# Altium PCB FlatSat Half 2.PcbDoc (part 8 of 9)
Units mil, origin at the board's own origin, x right, y up, seen from the top; angles counter-clockwise.
Board outline 4682 x 11604 mil, 4 copper layers (Top Layer, STR GND 1, STR GND 2, Bottom Layer), stack 33.434 mil thick; 231 components, 255 nets, 990 pads, 1104 vias.
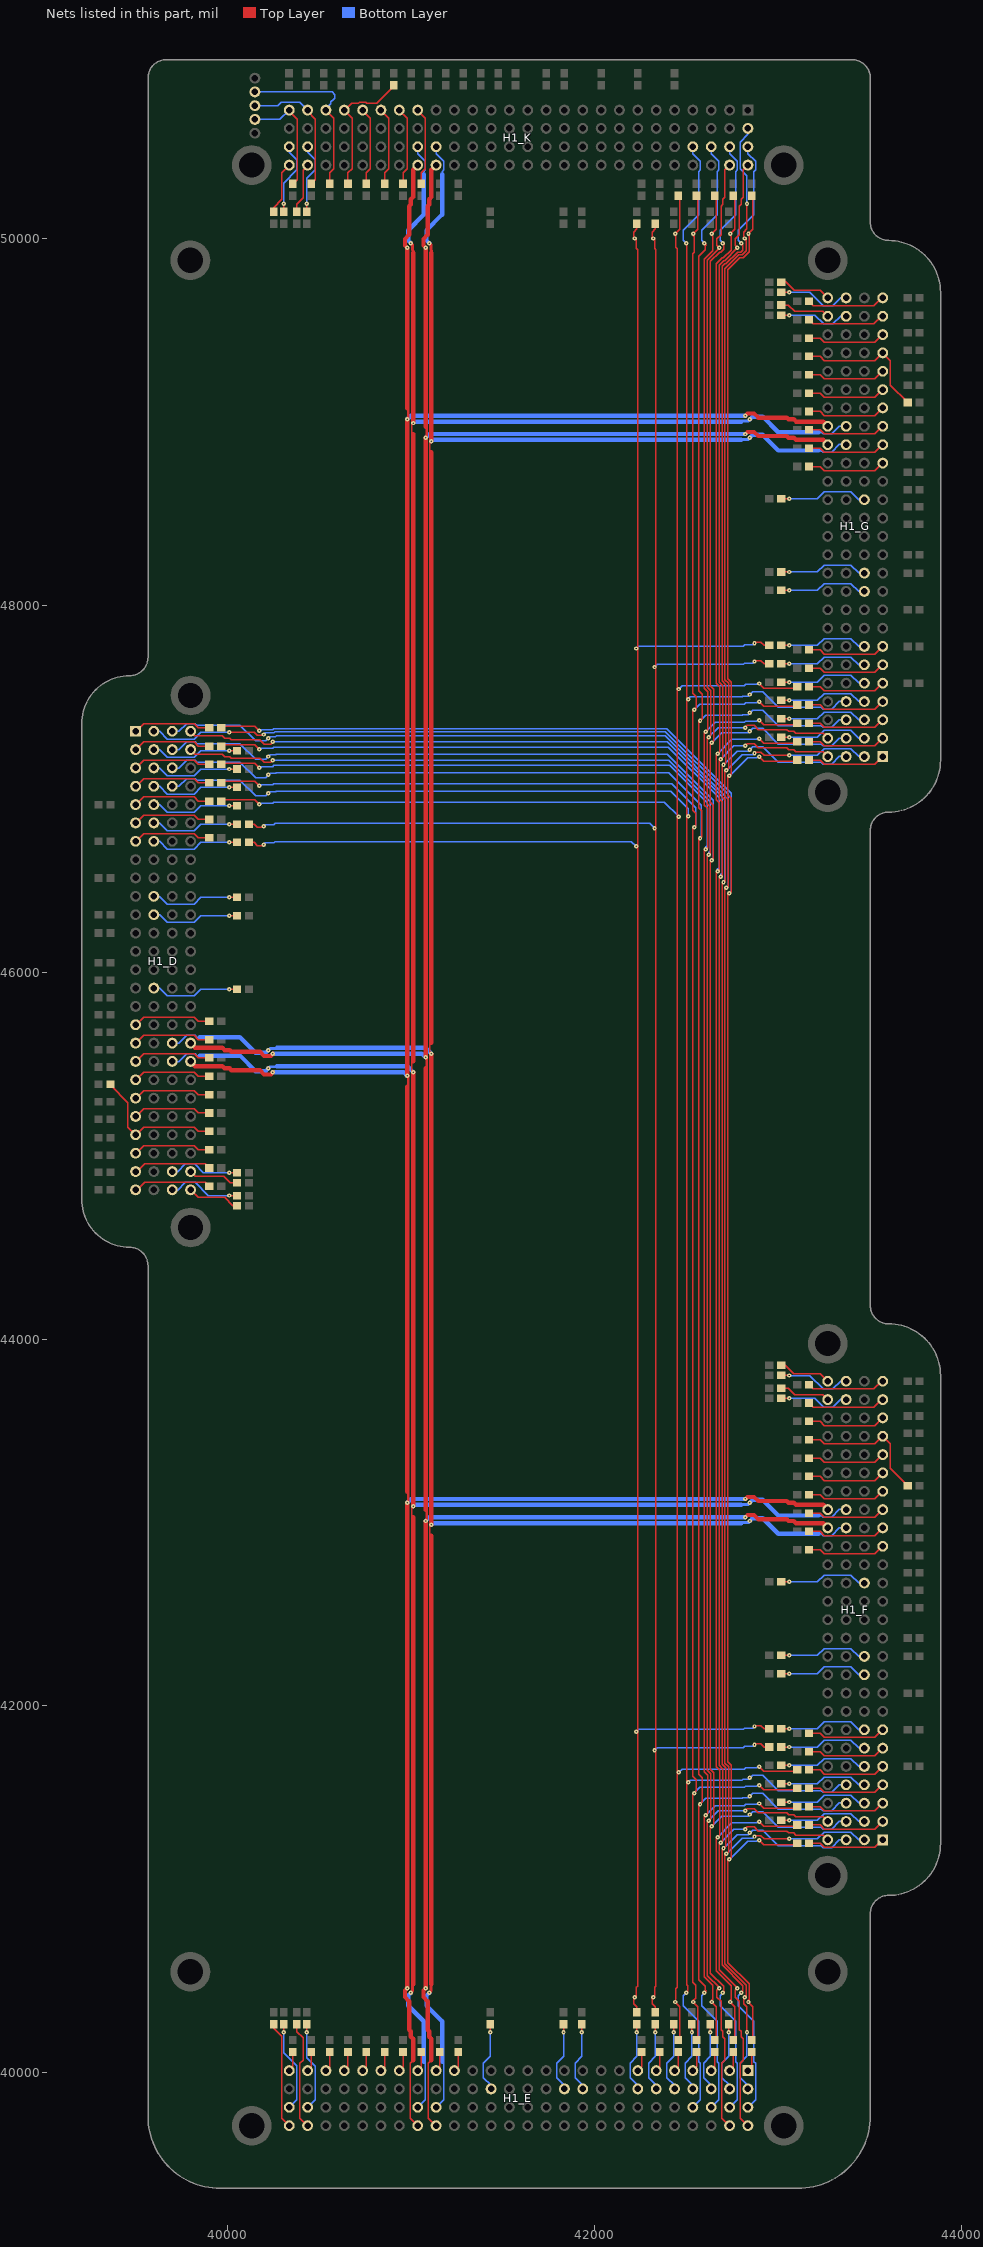
[diagram p10: the nets of this part, all layers, seen from the top]

## Via types
v1: diameter 24, hole 8, Top Layer to Bottom Layer, 1104 vias

## Nets (pads, with @x,y where several pads share a name; then routed paths per layer and width w, separated by ;. In a path a pad name is that pad's centre, name@x,y a point inside that pad or via, vN(x,y) a via of type N, cw(c..) or ccw(c..) an arc to the next point about the centre after c; other vN are vias at no path point) (continued)
NetH1_A_37: H1_K.37 R37_A.2 | length 427
  Top Layer w8: H1_K.37@41037,50696.52 41079.53,50653.99 41079.53,50378.9 41057,50356.38 R37_A.2@41057,50296.48
NetH1_A_39: H1_K.39 R39_A.2 | length 427
  Top Layer w8: H1_K.39@40937,50696.52 40979.53,50653.99 40979.53,50378.9 40957,50356.38 R39_A.2@40957,50296.48
NetH1_A_41: H1_K.41 R41_A.2 | length 427
  Top Layer w8: H1_K.41@40837,50696.52 40879.53,50653.99 40879.53,50378.9 40857,50356.38 R41_A.2@40857,50296.48
NetH1_A_43: H1_K.43 R43_A.2 | length 427
  Top Layer w8: H1_K.43@40737,50696.52 40779.53,50653.99 40779.53,50378.9 40757,50356.38 R43_A.2@40757,50296.48
NetH1_A_45: H1_K.45 J45_A.1 R45_A.2 | length 756.2
  Top Layer w8: H1_K.45@40637,50694 H1_K.45@40638.26,50695.26 ; H1_K.45@40637,50696.52 H1_K.45@40638.26,50695.26 ; R45_A.2@40657,50296.48 40657,50356.38 40679.53,50378.9 40679.53,50653.99 H1_K.45@40638.26,50695.26 ; J45_A.1@40906.31,50829.52 40812.79,50736 40758.73,50736 40754.2,50740.53 40719.8,50740.53 40714.8,50735.53 40678.53,50735.53 H1_K.45@40638.26,50695.26
NetH1_A_47: H1_K.47 pad.10 R47_A.2 | length 975.1
  Top Layer w8: H1_K.47@40537,50696.52 40579.53,50653.99 40579.53,50378.9 40557,50356.38 R47_A.2@40557,50296.48
  Bottom Layer w8: pad.10@40150,50798 40570.94,50798 40586,50782.94 40586,50763.06 40571.94,50749 40569.06,50749 40563.47,50743.41 40563.47,50733.47 40537,50707 H1_K.47@40537,50699
NetH1_A_49: H1_K.49 pad.9 R49_A.2 | length 737.6
  Top Layer w8: H1_K.49@40437,50696.52 40437,50691.57 40478.53,50650.05 40478.53,50318.01 R49_A.2@40457,50296.48
  Bottom Layer w8: pad.9@40150,50723 40275,50723 40292.53,50740.53 40395.47,50740.53 H1_K.49@40437,50699
NetH1_A_51: H1_K.51 pad.8 R51_A.2 | length 635.1
  Top Layer w8: H1_K.51@40337,50696.52 40337,50691.57 40379.53,50649.05 40379.53,50319.01 R51_A.2@40357,50296.48
  Bottom Layer w8: pad.8@40150,50648 40286,50648 H1_K.51@40337,50699
NetH1_A_101: H1_K.101 R101_A.1 | length 392.4
  Top Layer w8: R101_A.1@40431.67,50149.81 R101_A.1@40431.67,50159.81 ; R101_A.1@40432,50136.48 40432,50174
  Bottom Layer w8: v1(40432,50188) 40432,50328 40478.53,50374.53 40478.53,50416.2 ; H1_K.101@40437,50496.52 40437,50469 40478.47,50427.53 40478.47,50416.26
NetH1_A_102: H1_K.102 R102_A.2 | length 261.7
  Top Layer w8: R102_A.2@40376.67,50159.81 40377,50160.14 40377,50185 40412,50220 40412,50371.52 H1_K.102@40437,50396.52
NetH1_A_103: H1_K.103 R103_A.2 | length 382.9
  Top Layer w8: R103_A.2@40306.67,50159.81 v1@40306.67,50177.33 ; R103_A.2@40307,50154 R103_A.2@40307,50164
  Bottom Layer w8: v1(40307,50188) 40307,50301 40378.53,50372.53 40378.53,50416.2 40378.47,50416.26 40378.47,50427.53 40337,50469 H1_K.103@40337,50496.52
NetH1_A_104: H1_K.104 R104_A.1 | length 272.7
  Top Layer w8: R104_A.1@40252,50159 40252,50166.94 40297.06,50212 40297.06,50356.58 H1_K.104@40337,50396.52
NetH1_D_1: H1_D.1 R1_D.2 | length 427
  Top Layer w8: H1_D.1@39500.48,47312 39543.01,47354.53 39818.1,47354.53 39840.62,47332 R1_D.2@39900.52,47332
NetH1_D_3: H1_D.3 R3_D.2 | length 427
  Top Layer w8: H1_D.3@39500.48,47212 39543.01,47254.53 39818.1,47254.53 39840.62,47232 R3_D.2@39900.52,47232
NetH1_D_4: H1_D.4 R4_D.1 | length 486.5
  Top Layer w8: v1(40009,47207) R4_D.1@40052.19,47207
  Bottom Layer w8: H1_D.4@39598,47212 39631,47212 39672.47,47170.53 39818.53,47170.53 39855,47207 v1(40009,47207)
NetH1_D_5: H1_D.5 R5_D.2 | length 427
  Top Layer w8: H1_D.5@39500.48,47112 39543.01,47154.53 39818.1,47154.53 39840.62,47132 R5_D.2@39900.52,47132
NetH1_D_6: H1_D.6 R6_D.1 | length 486.5
  Top Layer w8: v1(40009,47107) R6_D.1@40052.19,47107
  Bottom Layer w8: H1_D.6@39598,47112 39631,47112 39672.47,47070.53 39818.53,47070.53 39855,47107 v1(40009,47107)
NetH1_D_7: H1_D.7 R7_D.2 | length 427
  Top Layer w8: H1_D.7@39500.48,47012 39543.01,47054.53 39818.1,47054.53 39840.62,47032 R7_D.2@39900.52,47032
NetH1_D_8: H1_D.8 R8_D.1 | length 486.5
  Top Layer w8: v1(40009,47007) R8_D.1@40052.19,47007
  Bottom Layer w8: H1_D.8@39598,47012 39631,47012 39672.47,46970.53 39818.53,46970.53 39855,47007 v1(40009,47007)
NetH1_D_9: H1_D.9 R9_D.2 | length 427
  Top Layer w8: H1_D.9@39500.48,46912 39543.01,46954.53 39818.1,46954.53 39840.62,46932 R9_D.2@39900.52,46932
NetH1_D_10: H1_D.10 R10_D.1 | length 486.5
  Top Layer w8: v1(40009,46907) R10_D.1@40052.19,46907
  Bottom Layer w8: H1_D.10@39598,46912 39631,46912 39672.47,46870.53 39818.53,46870.53 39855,46907 v1(40009,46907)
NetH1_D_11: H1_D.11 R11_D.2 | length 427
  Top Layer w8: H1_D.11@39500.48,46812 39543.01,46854.53 39818.1,46854.53 39840.62,46832 R11_D.2@39900.52,46832
NetH1_D_12: H1_D.12 R12_D.1 | length 486.5
  Top Layer w8: v1(40009,46807) R12_D.1@40052.19,46807
  Bottom Layer w8: H1_D.12@39598,46812 39631,46812 39672.47,46770.53 39818.53,46770.53 39855,46807 v1(40009,46807)
NetH1_D_13: H1_D.13 R13_D.2 | length 427
  Top Layer w8: H1_D.13@39500.48,46712 39543.01,46754.53 39818.1,46754.53 39840.62,46732 R13_D.2@39900.52,46732
NetH1_D_14: H1_D.14 R14_D.1 | length 486.5
  Top Layer w8: v1(40009,46707) R14_D.1@40052.19,46707
  Bottom Layer w8: H1_D.14@39598,46712 39631,46712 39672.47,46670.53 39818.53,46670.53 39855,46707 v1(40009,46707)
NetH1_D_20: H1_D.20 R20_D.1 | length 486.5
  Top Layer w8: v1(40009,46407) R20_D.1@40052.19,46407
  Bottom Layer w8: H1_D.20@39598,46412 39631,46412 39672.47,46370.53 39818.53,46370.53 39855,46407 v1(40009,46407)
NetH1_D_22: H1_D.22 R22_D.1 | length 486.5
  Top Layer w8: v1(40009,46307) R22_D.1@40052.19,46307
  Bottom Layer w8: H1_D.22@39598,46312 39631,46312 39672.47,46270.53 39818.53,46270.53 39855,46307 v1(40009,46307)
NetH1_D_30: H1_D.30 R30_D.1 | length 486.5
  Top Layer w8: v1(40009,45907) R30_D.1@40052.19,45907
  Bottom Layer w8: H1_D.30@39598,45912 39631,45912 39672.47,45870.53 39818.53,45870.53 39855,45907 v1(40009,45907)
NetH1_D_33: H1_D.33 R33_D.2 | length 427
  Top Layer w8: H1_D.33@39500.48,45712 39543.01,45754.53 39818.1,45754.53 39840.62,45732 R33_D.2@39900.52,45732
NetH1_D_35: H1_D.35 R35_D.1 | length 427
  Top Layer w8: H1_D.35@39500.48,45612 39543.01,45654.53 39818.1,45654.53 39840.62,45632 R35_D.1@39900.52,45632
NetH1_D_37: H1_D.37 R37_D.2 | length 427
  Top Layer w8: H1_D.37@39500.48,45512 39543.01,45554.53 39818.1,45554.53 39840.62,45532 R37_D.2@39900.52,45532
NetH1_D_39: H1_D.39 R39_D.2 | length 427
  Top Layer w8: H1_D.39@39500.48,45412 39543.01,45454.53 39818.1,45454.53 39840.62,45432 R39_D.2@39900.52,45432
NetH1_D_41: H1_D.41 R41_D.2 | length 427
  Top Layer w8: H1_D.41@39500.48,45312 39543.01,45354.53 39818.1,45354.53 39840.62,45332 R41_D.2@39900.52,45332
NetH1_D_43: H1_D.43 R43_D.2 | length 427
  Top Layer w8: H1_D.43@39500.48,45212 39543.01,45254.53 39818.1,45254.53 39840.62,45232 R43_D.2@39900.52,45232
NetH1_D_45: H1_D.45 J45_D.1 R45_D.2 | length 752.4
  Top Layer w8: J45_D.1@39363.48,45382.31 39457.47,45288.32 39457.47,45154.53 H1_D.45@39499,45113 ; H1_D.45@39500.48,45112 39543.01,45154.53 39818.1,45154.53 39840.62,45132 R45_D.2@39900.52,45132
NetH1_D_47: H1_D.47 R47_D.2 | length 427
  Top Layer w8: H1_D.47@39500.48,45012 39543.01,45054.53 39818.1,45054.53 39840.62,45032 R47_D.2@39900.52,45032
NetH1_D_49: H1_D.49 R49_D.2 | length 427
  Top Layer w8: H1_D.49@39500.48,44912 39505.43,44912 39547.95,44954.53 39877.99,44954.53 R49_D.2@39900.52,44932
NetH1_D_51: H1_D.51 R51_D.2 | length 427
  Top Layer w8: H1_D.51@39500.48,44812 39505.43,44812 39547.95,44854.53 39877.99,44854.53 R51_D.2@39900.52,44832
NetH1_D_101: H1_D.101 R101_D.1 | length 393.3
  Top Layer w8: 40023,44907 R101_D.1@40060.52,44907 ; R101_D.1@40037.19,44906.67 R101_D.1@40047.19,44906.67
  Bottom Layer w8: H1_D.101@39700.48,44912 39728,44912 39770.53,44954.53 39821.47,44954.53 39869,44907 v1(40009,44907)
NetH1_D_102: H1_D.102 R102_D.2 | length 261.7
  Top Layer w8: H1_D.102@39800.48,44912 39825.48,44887 39980,44887 40015,44852 40036.86,44852 R102_D.2@40037.19,44851.67
NetH1_D_103: H1_D.103 R103_D.2 | length 383.7
  Top Layer w8: v1@40019.67,44781.67 R103_D.2@40037.19,44781.67 ; R103_D.2@40033,44782 R103_D.2@40043,44782
  Bottom Layer w8: H1_D.103@39700.48,44812 39728,44812 39770.53,44854.53 39823.47,44854.53 39896,44782 v1(40009,44782)
NetH1_D_104: H1_D.104 R104_D.1 | length 272.7
  Top Layer w8: H1_D.104@39800.48,44812 39840.42,44772.06 39985,44772.06 40030.06,44727 R104_D.1@40038,44727
NetH1_E_1: H1_E.1 R1_E.2 | length 109.8
  Top Layer w8: H1_E.1@42837,40012 42857,40032 R1_E.2@42857,40113.52
NetH1_E_3: H1_E.3 R3_E.2 | length 109.8
  Top Layer w8: H1_E.3@42737,40012 42757,40032 R3_E.2@42757,40113.52
NetH1_E_4: H1_E.4 R4_E.1 | length 385.5
  Top Layer w8: v1(42732,40222) R4_E.1@42732,40265.19
  Bottom Layer w8: v1(42732,40222) 42732,40089 42695.47,40052.47 42695.47,39972.53 42737,39931 H1_E.4@42737,39912
NetH1_E_5: H1_E.5 R5_E.2 | length 109.8
  Top Layer w8: H1_E.5@42637,40012 42657,40032 R5_E.2@42657,40113.52
NetH1_E_6: H1_E.6 R6_E.1 | length 385.5
  Top Layer w8: v1(42632,40222) R6_E.1@42632,40265.19
  Bottom Layer w8: v1(42632,40222) 42632,40089 42595.47,40052.47 42595.47,39972.53 42637,39931 H1_E.6@42637,39912
NetH1_E_7: H1_E.7 R7_E.2 | length 109.8
  Top Layer w8: H1_E.7@42537,40012 42557,40032 R7_E.2@42557,40113.52
NetH1_E_8: H1_E.8 R8_E.1 | length 385.5
  Top Layer w8: v1(42532,40222) R8_E.1@42532,40265.19
  Bottom Layer w8: v1(42532,40222) 42532,40089 42495.47,40052.47 42495.47,39972.53 42537,39931 H1_E.8@42537,39912
NetH1_E_9: H1_E.9 R9_E.2 | length 109.8
  Top Layer w8: H1_E.9@42437,40012 42457,40032 R9_E.2@42457,40113.52
NetH1_E_10: H1_E.10 R10_E.1 | length 385.5
  Top Layer w8: v1(42432,40222) R10_E.1@42432,40265.19
  Bottom Layer w8: v1(42432,40222) 42432,40089 42395.47,40052.47 42395.47,39972.53 42437,39931 H1_E.10@42437,39912
NetH1_E_11: H1_E.11 R11_E.2 | length 109.8
  Top Layer w8: H1_E.11@42337,40012 42357,40032 R11_E.2@42357,40113.52
NetH1_E_12: H1_E.12 R12_E.1 | length 385.5
  Top Layer w8: v1(42332,40222) R12_E.1@42332,40265.19
  Bottom Layer w8: v1(42332,40222) 42332,40089 42295.47,40052.47 42295.47,39972.53 42337,39931 H1_E.12@42337,39912
NetH1_E_13: H1_E.13 R13_E.2 | length 109.8
  Top Layer w8: H1_E.13@42237,40012 42257,40032 R13_E.2@42257,40113.52
NetH1_E_14: H1_E.14 R14_E.1 | length 385.5
  Top Layer w8: v1(42232,40222) R14_E.1@42232,40265.19
  Bottom Layer w8: v1(42232,40222) 42232,40089 42195.47,40052.47 42195.47,39972.53 42237,39931 H1_E.14@42237,39912
NetH1_E_20: H1_E.20 R20_E.1 | length 385.5
  Top Layer w8: v1(41932,40222) R20_E.1@41932,40265.19
  Bottom Layer w8: v1(41932,40222) 41932,40089 41895.47,40052.47 41895.47,39972.53 41937,39931 H1_E.20@41937,39912
NetH1_E_22: H1_E.22 R22_E.1 | length 385.5
  Top Layer w8: v1(41832,40222) R22_E.1@41832,40265.19
  Bottom Layer w8: v1(41832,40222) 41832,40089 41795.47,40052.47 41795.47,39972.53 41837,39931 H1_E.22@41837,39912
NetH1_E_30: H1_E.30 R30_E.1 | length 385.5
  Top Layer w8: v1(41432,40222) R30_E.1@41432,40265.19
  Bottom Layer w8: v1(41432,40222) 41432,40089 41395.47,40052.47 41395.47,39972.53 41437,39931 H1_E.30@41437,39912
NetH1_E_33: H1_E.33 R33_E.2 | length 109.8
  Top Layer w8: H1_E.33@41237,40012 41257,40032 R33_E.2@41257,40113.52
NetH1_E_35: H1_E.35 R35_E.1 | length 109.8
  Top Layer w8: H1_E.35@41137,40012 41157,40032 R35_E.1@41157,40113.52
NetH1_E_37: H1_E.37 R37_E.2 | length 109.8
  Top Layer w8: H1_E.37@41037,40012 41057,40032 R37_E.2@41057,40113.52
NetH1_E_39: H1_E.39 R39_E.2 | length 109.8
  Top Layer w8: H1_E.39@40937,40012 40957,40032 R39_E.2@40957,40113.52
NetH1_E_41: H1_E.41 R41_E.2 | length 109.8
  Top Layer w8: H1_E.41@40837,40012 40857,40032 R41_E.2@40857,40113.52
NetH1_E_43: H1_E.43 R43_E.2 | length 109.8
  Top Layer w8: H1_E.43@40737,40012 40757,40032 R43_E.2@40757,40113.52
NetH1_E_45: H1_E.45 R45_E.2 | length 109.8
  Top Layer w8: H1_E.45@40637,40012 40657,40032 R45_E.2@40657,40113.52
NetH1_E_47: H1_E.47 R47_E.2 | length 109.8
  Top Layer w8: H1_E.47@40537,40012 40557,40032 R47_E.2@40557,40113.52
NetH1_E_49: H1_E.49 R49_E.2 | length 109.8
  Top Layer w8: H1_E.49@40437,40012 40457,40032 R49_E.2@40457,40113.52
NetH1_E_51: H1_E.51 R51_E.2 | length 109.8
  Top Layer w8: H1_E.51@40337,40012 40357,40032 R51_E.2@40357,40113.52
NetH1_E_101: H1_E.101 R101_E.1 | length 494
  Top Layer w8: R101_E.1@40431.67,40250.19 R101_E.1@40431.67,40260.19 ; 40432,40236 R101_E.1@40432,40273.52
  Bottom Layer w8: v1(40432,40222) 40432,40082 40478.53,40035.47 40478.53,39853.53 H1_E.101@40437,39812
NetH1_E_102: H1_E.102 R102_E.2 | length 576.9
  Top Layer w8: R102_E.2@40376.67,40250.19 40377,40249.86 40377,40225 40412,40190 40412,40069 40395.47,40052.47 40395.47,39753.53 H1_E.102@40437,39712
NetH1_E_103: H1_E.103 R103_E.2 | length 484.3
  Top Layer w8: v1@40306.67,40232.67 R103_E.2@40306.67,40250.19 ; R103_E.2@40307,40246 R103_E.2@40307,40256
  Bottom Layer w8: v1(40307,40222) 40307,40109 40378.53,40037.47 40378.53,39853.53 H1_E.103@40337,39812
NetH1_E_104: H1_E.104 R104_E.1 | length 575.5
  Top Layer w8: R104_E.1@40252,40251 40252,40243.06 40297.06,40198 40297.06,40053.42 40295.47,40051.83 40295.47,39753.53 H1_E.104@40337,39712
NetH1_F_1: H1_F.1 R1_F.2 | length 427
  Top Layer w8: R1_F.2@43170.48,41251 43230.38,41251 43252.9,41228.47 43527.99,41228.47 H1_F.1@43570.52,41271
NetH1_F_3: H1_F.3 R3_F.2 | length 427
  Top Layer w8: R3_F.2@43170.48,41351 43230.38,41351 43252.9,41328.47 43527.99,41328.47 H1_F.3@43570.52,41371
NetH1_F_4: H1_F.4 R4_F.1 | length 486.5
  Top Layer w8: R4_F.1@43018.81,41376 v1(43062,41376)
  Bottom Layer w8: v1(43062,41376) 43216,41376 43252.47,41412.47 43398.53,41412.47 43440,41371 H1_F.4@43473,41371
NetH1_F_5: H1_F.5 R5_F.2 | length 427
  Top Layer w8: R5_F.2@43170.48,41451 43230.38,41451 43252.9,41428.47 43527.99,41428.47 H1_F.5@43570.52,41471
NetH1_F_6: H1_F.6 R6_F.1 | length 486.5
  Top Layer w8: R6_F.1@43018.81,41476 v1(43062,41476)
  Bottom Layer w8: v1(43062,41476) 43216,41476 43252.47,41512.47 43398.53,41512.47 43440,41471 H1_F.6@43473,41471
NetH1_F_7: H1_F.7 R7_F.2 | length 427
  Top Layer w8: R7_F.2@43170.48,41551 43230.38,41551 43252.9,41528.47 43527.99,41528.47 H1_F.7@43570.52,41571
NetH1_F_8: H1_F.8 R8_F.1 | length 486.5
  Top Layer w8: R8_F.1@43018.81,41576 v1(43062,41576)
  Bottom Layer w8: v1(43062,41576) 43216,41576 43252.47,41612.47 43398.53,41612.47 43440,41571 H1_F.8@43473,41571
NetH1_F_9: H1_F.9 R9_F.2 | length 427
  Top Layer w8: R9_F.2@43170.48,41651 43230.38,41651 43252.9,41628.47 43527.99,41628.47 H1_F.9@43570.52,41671
NetH1_F_10: H1_F.10 R10_F.1 | length 486.5
  Top Layer w8: R10_F.1@43018.81,41676 v1(43062,41676)
  Bottom Layer w8: v1(43062,41676) 43216,41676 43252.47,41712.47 43398.53,41712.47 43440,41671 H1_F.10@43473,41671
NetH1_F_11: H1_F.11 R11_F.2 | length 427
  Top Layer w8: R11_F.2@43170.48,41751 43230.38,41751 43252.9,41728.47 43527.99,41728.47 H1_F.11@43570.52,41771
NetH1_F_12: H1_F.12 R12_F.1 | length 486.5
  Top Layer w8: R12_F.1@43018.81,41776 v1(43062,41776)
  Bottom Layer w8: v1(43062,41776) 43216,41776 43252.47,41812.47 43398.53,41812.47 43440,41771 H1_F.12@43473,41771
NetH1_F_13: H1_F.13 R13_F.2 | length 427
  Top Layer w8: R13_F.2@43170.48,41851 43230.38,41851 43252.9,41828.47 43527.99,41828.47 H1_F.13@43570.52,41871
NetH1_F_14: H1_F.14 R14_F.1 | length 486.5
  Top Layer w8: R14_F.1@43018.81,41876 v1(43062,41876)
  Bottom Layer w8: v1(43062,41876) 43216,41876 43252.47,41912.47 43398.53,41912.47 43440,41871 H1_F.14@43473,41871
NetH1_F_20: H1_F.20 R20_F.1 | length 486.5
  Top Layer w8: R20_F.1@43018.81,42176 v1(43062,42176)
  Bottom Layer w8: v1(43062,42176) 43216,42176 43252.47,42212.47 43398.53,42212.47 43440,42171 H1_F.20@43473,42171
NetH1_F_22: H1_F.22 R22_F.1 | length 486.5
  Top Layer w8: R22_F.1@43018.81,42276 v1(43062,42276)
  Bottom Layer w8: v1(43062,42276) 43216,42276 43252.47,42312.47 43398.53,42312.47 43440,42271 H1_F.22@43473,42271
NetH1_F_30: H1_F.30 R30_F.1 | length 486.5
  Top Layer w8: R30_F.1@43018.81,42676 v1(43062,42676)
  Bottom Layer w8: v1(43062,42676) 43216,42676 43252.47,42712.47 43398.53,42712.47 43440,42671 H1_F.30@43473,42671
NetH1_F_33: H1_F.33 R33_F.2 | length 427
  Top Layer w8: R33_F.2@43170.48,42851 43230.38,42851 43252.9,42828.47 43527.99,42828.47 H1_F.33@43570.52,42871
NetH1_F_35: H1_F.35 R35_F.1 | length 427
  Top Layer w8: R35_F.1@43170.48,42951 43230.38,42951 43252.9,42928.47 43527.99,42928.47 H1_F.35@43570.52,42971
NetH1_F_37: H1_F.37 R37_F.2 | length 427
  Top Layer w8: R37_F.2@43170.48,43051 43230.38,43051 43252.9,43028.47 43527.99,43028.47 H1_F.37@43570.52,43071
NetH1_F_39: H1_F.39 R39_F.2 | length 427
  Top Layer w8: R39_F.2@43170.48,43151 43230.38,43151 43252.9,43128.47 43527.99,43128.47 H1_F.39@43570.52,43171
NetH1_F_41: H1_F.41 R41_F.2 | length 427
  Top Layer w8: R41_F.2@43170.48,43251 43230.38,43251 43252.9,43228.47 43527.99,43228.47 H1_F.41@43570.52,43271
NetH1_F_43: H1_F.43 R43_F.2 | length 427
  Top Layer w8: R43_F.2@43170.48,43351 43230.38,43351 43252.9,43328.47 43527.99,43328.47 H1_F.43@43570.52,43371
NetH1_F_45: H1_F.45 J45_F.1 R45_F.2 | length 752.4
  Top Layer w8: R45_F.2@43170.48,43451 43230.38,43451 43252.9,43428.47 43527.99,43428.47 H1_F.45@43570.52,43471 ; H1_F.45@43572,43470 43613.53,43428.47 43613.53,43294.68 J45_F.1@43707.52,43200.69
NetH1_F_47: H1_F.47 R47_F.2 | length 427
  Top Layer w8: R47_F.2@43170.48,43551 43230.38,43551 43252.9,43528.47 43527.99,43528.47 H1_F.47@43570.52,43571
NetH1_F_49: H1_F.49 R49_F.2 | length 427
  Top Layer w8: R49_F.2@43170.48,43651 43193.01,43628.47 43523.05,43628.47 43565.57,43671 H1_F.49@43570.52,43671
NetH1_F_51: H1_F.51 R51_F.2 | length 427
  Top Layer w8: R51_F.2@43170.48,43751 43193.01,43728.47 43523.05,43728.47 43565.57,43771 H1_F.51@43570.52,43771
NetH1_F_101: H1_F.101 R101_F.1 | length 393.3
  Top Layer w8: R101_F.1@43010.48,43676 43048,43676 ; R101_F.1@43023.81,43676.33 R101_F.1@43033.81,43676.33
  Bottom Layer w8: v1(43062,43676) 43202,43676 43249.53,43628.47 43300.47,43628.47 43343,43671 H1_F.101@43370.52,43671
NetH1_F_102: H1_F.102 R102_F.2 | length 261.7
  Top Layer w8: R102_F.2@43033.81,43731.33 43034.14,43731 43056,43731 43091,43696 43245.52,43696 H1_F.102@43270.52,43671
NetH1_F_103: H1_F.103 R103_F.2 | length 383.7
  Top Layer w8: R103_F.2@43028,43801 R103_F.2@43038,43801 ; R103_F.2@43033.81,43801.33 v1@43051.33,43801.33
  Bottom Layer w8: v1(43062,43801) 43175,43801 43247.53,43728.47 43300.47,43728.47 43343,43771 H1_F.103@43370.52,43771
NetH1_F_104: H1_F.104 R104_F.1 | length 272.7
  Top Layer w8: R104_F.1@43033,43856 43040.94,43856 43086,43810.94 43230.58,43810.94 H1_F.104@43270.52,43771
NetH1_G_1: H1_G.1 R1_G.2 | length 427
  Top Layer w8: R1_G.2@43170.48,47156 43230.38,47156 43252.9,47133.47 43527.99,47133.47 H1_G.1@43570.52,47176
NetH1_G_3: H1_G.3 R3_G.2 | length 427
  Top Layer w8: R3_G.2@43170.48,47256 43230.38,47256 43252.9,47233.47 43527.99,47233.47 H1_G.3@43570.52,47276
NetH1_G_4: H1_G.4 R4_G.1 | length 486.5
  Top Layer w8: R4_G.1@43018.81,47281 v1(43062,47281)
  Bottom Layer w8: v1(43062,47281) 43216,47281 43252.47,47317.47 43398.53,47317.47 43440,47276 H1_G.4@43473,47276
NetH1_G_5: H1_G.5 R5_G.2 | length 427
  Top Layer w8: R5_G.2@43170.48,47356 43230.38,47356 43252.9,47333.47 43527.99,47333.47 H1_G.5@43570.52,47376
NetH1_G_6: H1_G.6 R6_G.1 | length 486.5
  Top Layer w8: R6_G.1@43018.81,47381 v1(43062,47381)
  Bottom Layer w8: v1(43062,47381) 43216,47381 43252.47,47417.47 43398.53,47417.47 43440,47376 H1_G.6@43473,47376
NetH1_G_7: H1_G.7 R7_G.2 | length 427
  Top Layer w8: R7_G.2@43170.48,47456 43230.38,47456 43252.9,47433.47 43527.99,47433.47 H1_G.7@43570.52,47476
NetH1_G_8: H1_G.8 R8_G.1 | length 486.5
  Top Layer w8: R8_G.1@43018.81,47481 v1(43062,47481)
  Bottom Layer w8: v1(43062,47481) 43216,47481 43252.47,47517.47 43398.53,47517.47 43440,47476 H1_G.8@43473,47476
NetH1_G_9: H1_G.9 R9_G.2 | length 427
  Top Layer w8: R9_G.2@43170.48,47556 43230.38,47556 43252.9,47533.47 43527.99,47533.47 H1_G.9@43570.52,47576
NetH1_G_10: H1_G.10 R10_G.1 | length 486.5
  Top Layer w8: R10_G.1@43018.81,47581 v1(43062,47581)
  Bottom Layer w8: v1(43062,47581) 43216,47581 43252.47,47617.47 43398.53,47617.47 43440,47576 H1_G.10@43473,47576
NetH1_G_11: H1_G.11 R11_G.2 | length 427
  Top Layer w8: R11_G.2@43170.48,47656 43230.38,47656 43252.9,47633.47 43527.99,47633.47 H1_G.11@43570.52,47676
NetH1_G_12: H1_G.12 R12_G.1 | length 486.5
  Top Layer w8: R12_G.1@43018.81,47681 v1(43062,47681)
  Bottom Layer w8: v1(43062,47681) 43216,47681 43252.47,47717.47 43398.53,47717.47 43440,47676 H1_G.12@43473,47676
NetH1_G_13: H1_G.13 R13_G.2 | length 427
  Top Layer w8: R13_G.2@43170.48,47756 43230.38,47756 43252.9,47733.47 43527.99,47733.47 H1_G.13@43570.52,47776
NetH1_G_14: H1_G.14 R14_G.1 | length 486.5
  Top Layer w8: R14_G.1@43018.81,47781 v1(43062,47781)
  Bottom Layer w8: v1(43062,47781) 43216,47781 43252.47,47817.47 43398.53,47817.47 43440,47776 H1_G.14@43473,47776
NetH1_G_20: H1_G.20 R20_G.1 | length 486.5
  Top Layer w8: R20_G.1@43018.81,48081 v1(43062,48081)
  Bottom Layer w8: v1(43062,48081) 43216,48081 43252.47,48117.47 43398.53,48117.47 43440,48076 H1_G.20@43473,48076